# Altium PCB sinking-clock_LED-PCB.PcbDoc (part 1 of 2)
Units mm, origin at the board's own origin, x right, y up, seen from the top; angles counter-clockwise.
Board outline 152.03 x 83 mm, 2 copper layers (Top Layer, Bottom Layer), stack 1.57 mm thick; 151 components, 151 nets, 498 pads, 173 vias.
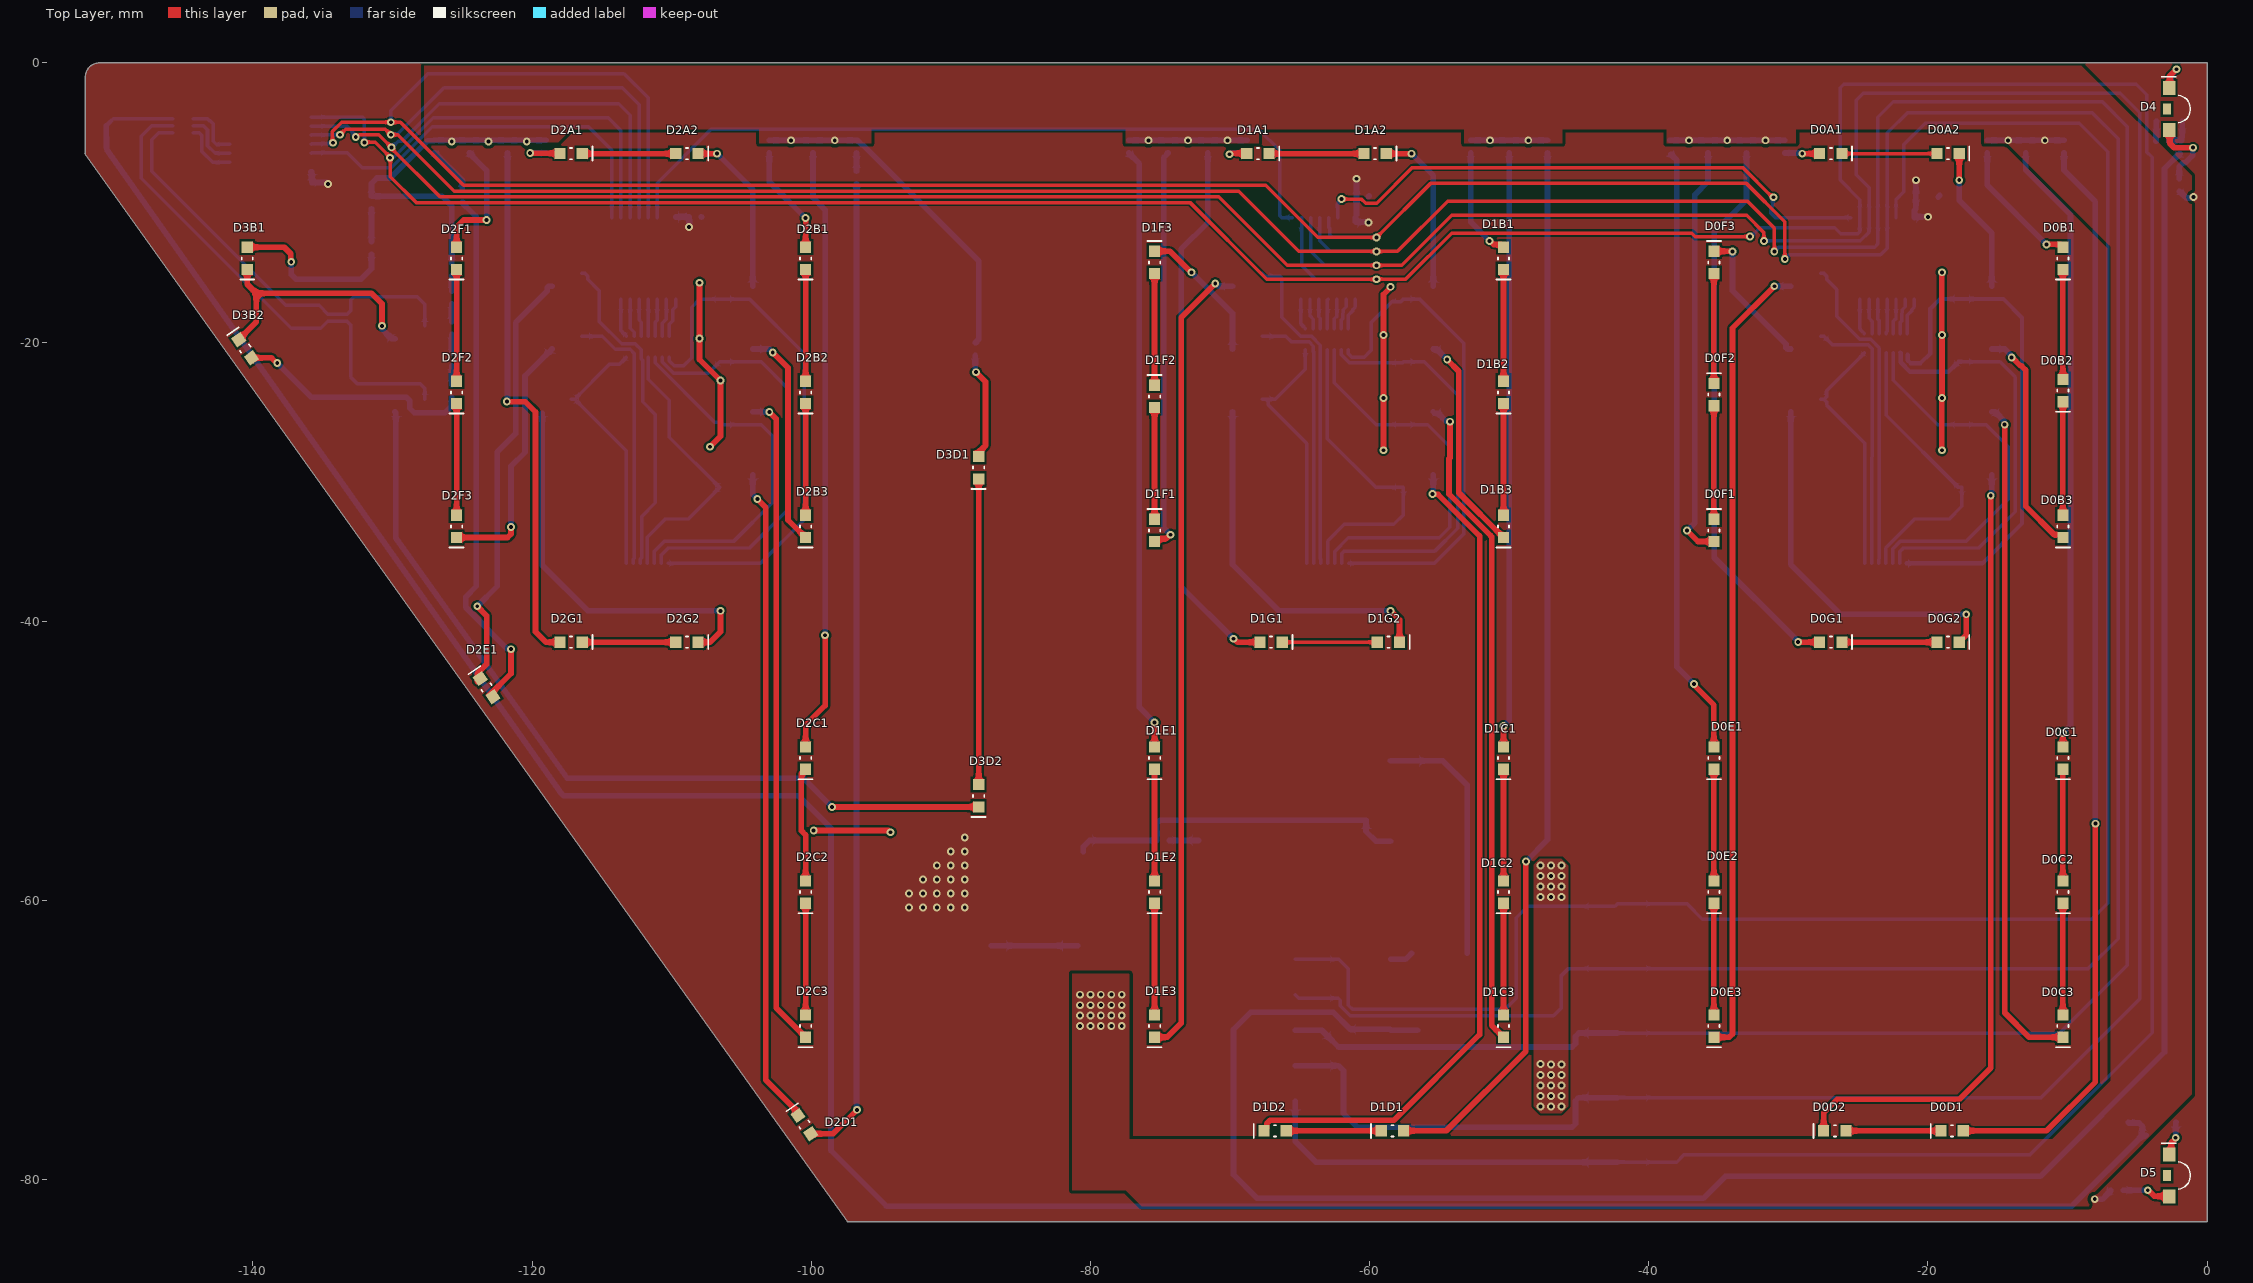
[diagram p0: Top Layer view]
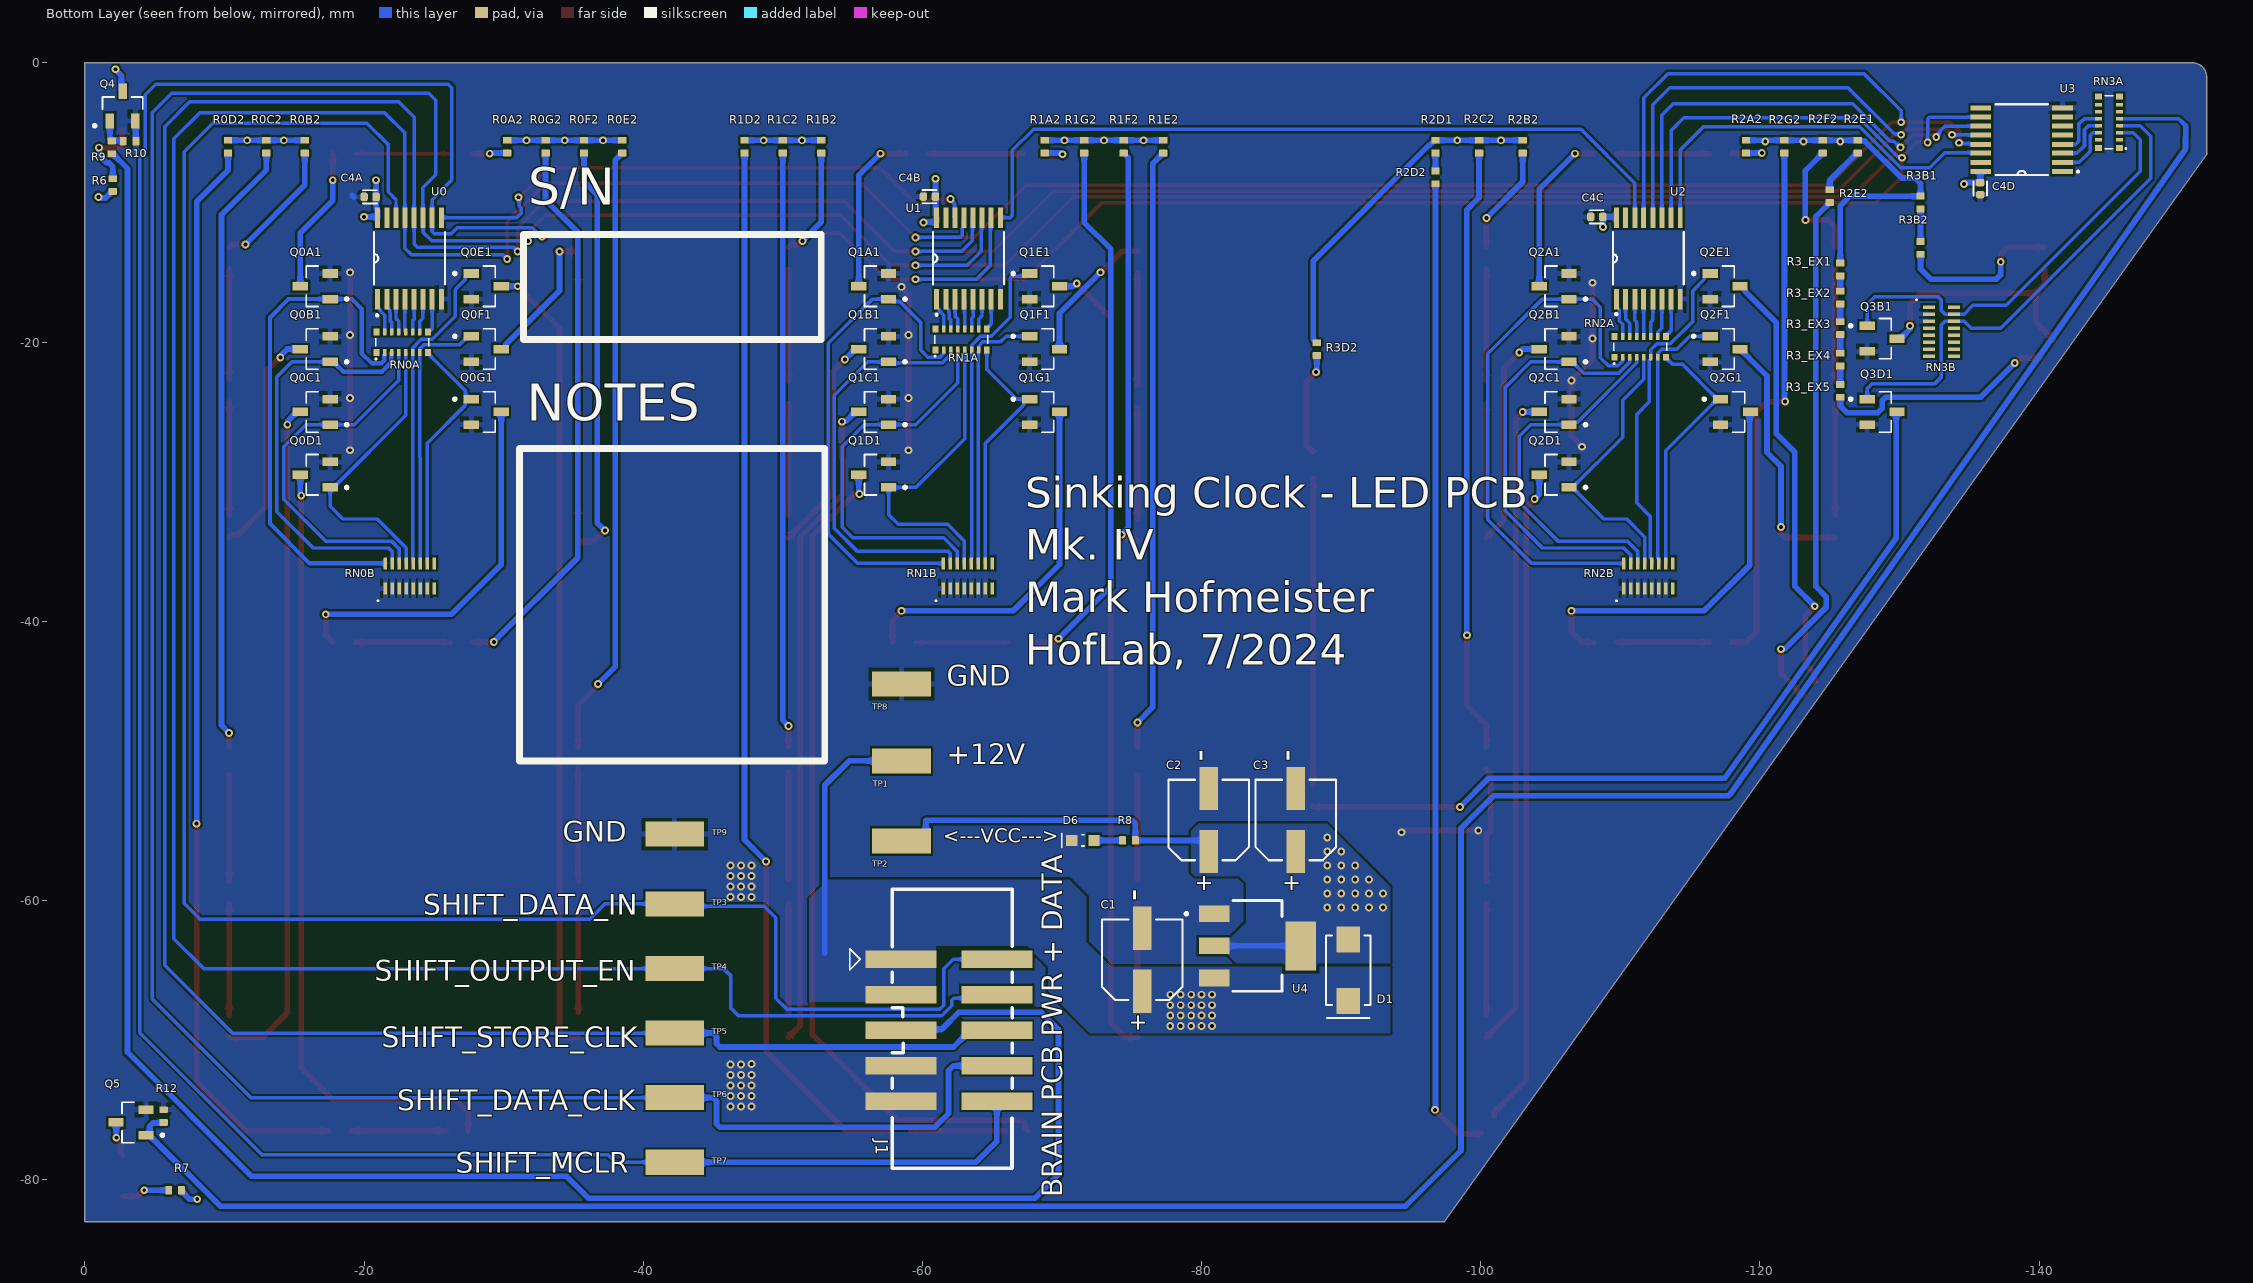
[diagram p1: Bottom Layer view, seen from below]
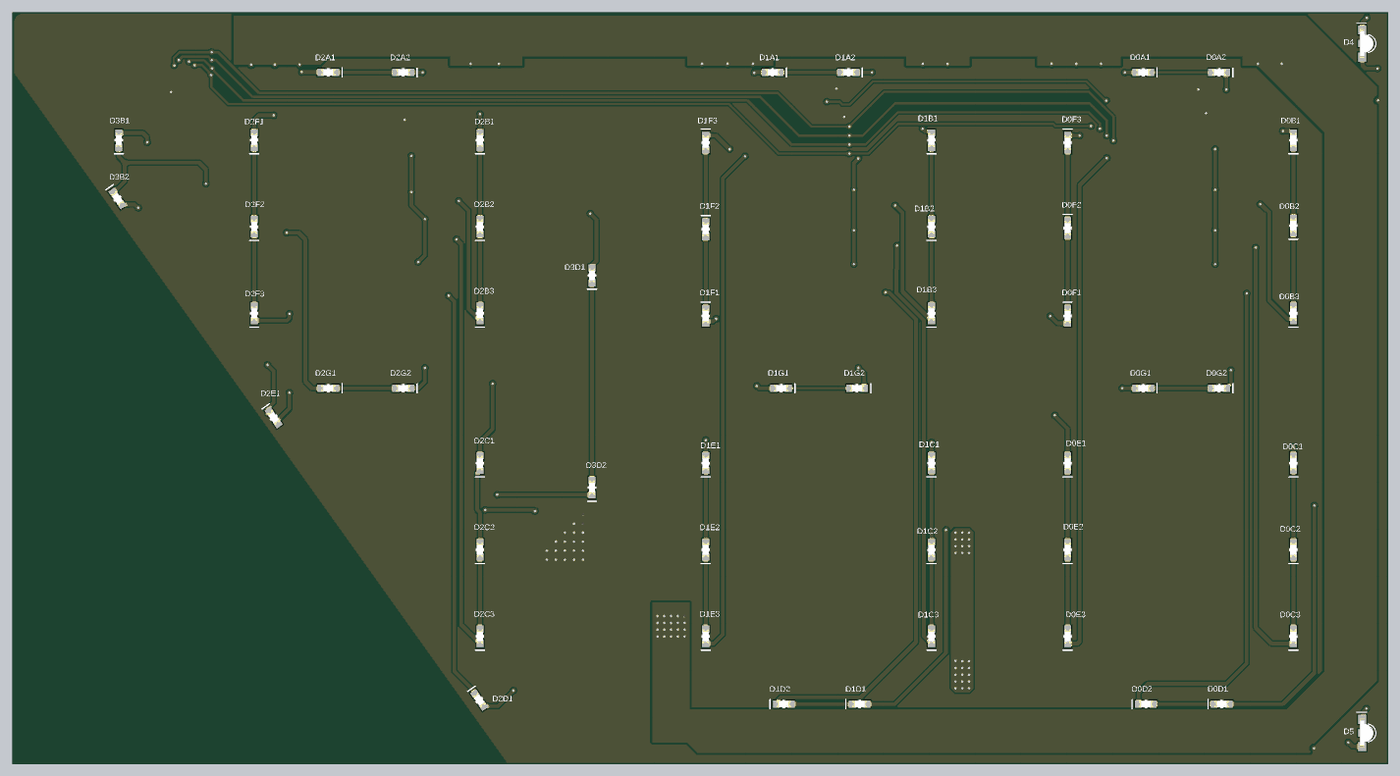
[diagram p3: 3D render of the assembled board from above, using the file's embedded part models]
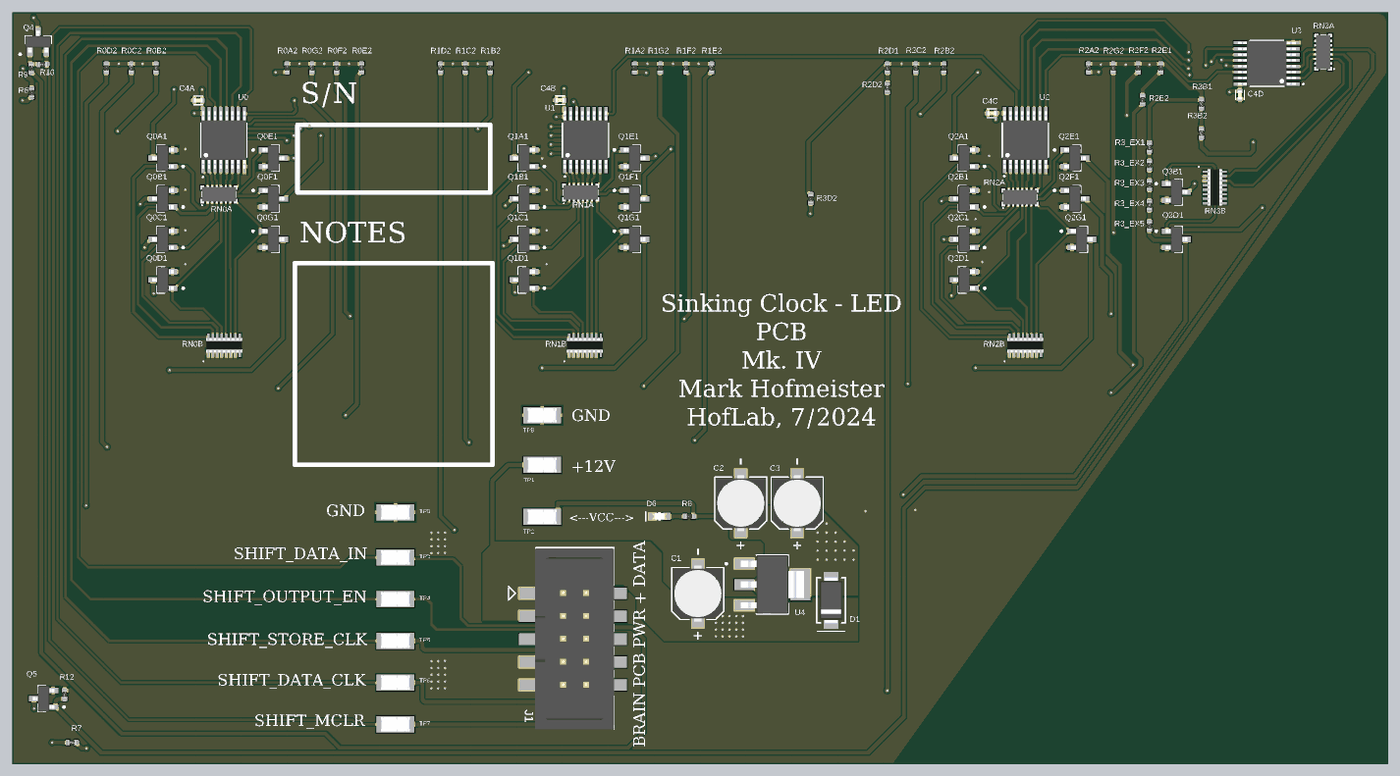
[diagram p4: 3D render of the assembled board from below, using the file's embedded part models]

## Layer stack, top to bottom
Top Solder: solder mask 0.0102, Solder Resist, Dk 3.5
Top Layer: signal copper 0.0356
Dielectric 1: dielectric 1.4986, FR-4, Dk 4.8
Bottom Layer: signal copper 0.0356
Bottom Solder: solder mask 0.0102, Solder Resist, Dk 3.5

## Board outline
-97.4,-83 -152.028,-6.52 -152,-6.5 -152,-1 cw(c-151,-1) -151,0 0,0 0,-83

## Design rules (kind name [scope] priority, off if disabled: settings)
Clearance "Power Planes" [InNet('+12') vs InNet('VCC')] p1: gap=0.254 ignorepadtopadclearanceinfootprint=TRUE except(0: Arc-Hole Track-Hole SMDPad-Hole THPad-Hole Via-Hole Fill-Hole Poly-Hole Region-Hole Text-Hole)
Clearance [All] p2: gap=0.152 ignorepadtopadclearanceinfootprint=FALSE except(0: Arc-Hole Track-Hole SMDPad-Hole THPad-Hole Via-Hole Fill-Hole Poly-Hole Region-Hole Text-Hole)
HoleSize [All] p1: absolutevalues=TRUE maxlimit=2.7 minlimit=0.152 maxpercent=80.000 minpercent=20.000
MinimumSolderMaskSliver [All] p1: minsoldermaskwidth=0.025
PolygonConnect "Power Section Direct Connect" [InComponentClass('DirectConnect')] p1: connectstyle=Direct reliefconductorwidth=0.254 reliefentries=4 polygonreliefangle="90 Angle" airgapwidth=0.254
PolygonConnect "PWR + GND Vias" [IsVia and InNetClass('PWR') vs IsPolygon] p2: connectstyle=Direct reliefconductorwidth=0.254 reliefentries=4 polygonreliefangle="90 Angle" airgapwidth=0.254
PolygonConnect [All] p3: connectstyle=Relief reliefconductorwidth=0.4 reliefentries=4 polygonreliefangle="90 Angle" airgapwidth=0.254
RoomDefinition U_LED-PCB_DIG2 [InComponentClass('U_LED-PCB_DIG2')] p1: confinementstyle=ConfineIn formatcopy=TRUE lockcomponents=FALSE outline -127.829,-7.229 -127.829,-4.771 -95.921,-4.771 -95.921,-9.434 -98.734,-9.434 -98.734,-78.009 -102.304,-78.009 -102.304,-46.699 -125.067,-46.699 -125.067,-35.041 -126.329,-35.041 -126.329,-7.229
RoomDefinition LED-PCB_Master [InComponentClass('LED-PCB_Master')] p2: confinementstyle=ConfineIn formatcopy=TRUE lockcomponents=FALSE outline -92.418,-68.759 -92.418,-61.596 -89.963,-61.596 -89.963,-49.052 -83.713,-49.052 -61.129,-49.052 -61.129,-43.171 -4.679,-43.171 -4.679,-0.956 -3.604,-0.956 -3.604,-0.696 -0.896,-0.696 -0.896,-0.956 -0.246,-0.956 -0.246,-5.244 -0.896,-5.244 -0.896,-82.056 -3.604,-82.056 -3.604,-81.589 -7.684,-81.589 -7.684,-80.079 -44.879,-80.079 -44.879,-79.581 -68.225,-79.581 -68.225,-69.711 -78.963,-69.711 -78.963,-68.759
RoomDefinition U_LED-PCB_DIG1 [InComponentClass('U_LED-PCB_DIG1')] p3: confinementstyle=ConfineIn formatcopy=TRUE lockcomponents=FALSE outline -78.079,-7.229 -78.079,-4.771 -46.421,-4.771 -46.421,-7.229 -49.471,-7.229 -49.471,-70.842 -56.635,-70.842 -56.635,-77.429 -68.606,-77.429 -68.606,-70.842 -76.329,-70.842 -76.329,-35.215 -76.329,-7.229
RoomDefinition U_LED-PCB_DIG3 [InComponentClass('U_LED-PCB_DIG3')] p4: confinementstyle=ConfineIn formatcopy=TRUE lockcomponents=FALSE outline -146.554,-6.623 -146.554,-1.877 -143.676,-1.877 -143.676,-2.63 -134.737,-2.63 -134.737,-8.771 -130.671,-8.771 -130.671,-13.569 -124.921,-13.569 -124.921,-19.271 -87.424,-19.271 -87.424,-27.271 -87.071,-27.271 -87.071,-54.341 -88.929,-54.341 -88.929,-26.979 -130.894,-26.979 -130.894,-22.424 -142.367,-22.424 -142.367,-8.37 -142.763,-8.37 -142.763,-6.623
RoomDefinition U_LED-PCB_DIG0 [InComponentClass('U_LED-PCB_DIG0')] p5: confinementstyle=ConfineIn formatcopy=TRUE lockcomponents=FALSE outline -39.329,-7.229 -39.329,-4.771 -9.421,-4.771 -9.421,-12.271 -9.401,-12.271 -9.401,-70.842 -16.54,-70.842 -16.54,-77.429 -28.511,-77.429 -28.511,-70.842 -36.259,-70.842 -36.259,-35.215 -36.259,-7.229
RoutingVias [All] p1: holewidth=0.279 width=0.559 viastyle="Through Hole" minholewidth=0.203 minwidth=0.406 maxholewidth=0.711 maxwidth=1.27
SilkToSolderMaskClearance [IsPad] p1: minsilkscreentomaskgap=0.1 clearancetoexposedcopper=TRUE
SolderMaskExpansion [isVia] p1: expansion=0.102 istentingtop=TRUE
SolderMaskExpansion SolderMaskExpansion_1 [All] p2: expansion=0.102 istentingtop=FALSE
UnRoutedNet [All] p1: checkbadconnections=TRUE
Width [All] p1: maxlimit=1.27 minlimit=0.152 preferedwidth=0.406 minimp=50.000000 maximp=50.000000 favimp=50.000000
26 further rules are at their usual default settings.

## Classes and differential pairs
component class DirectConnect: C1 C2 C3 D1 D6 J1 U4
net class PWR: +12 GND VCC
component class U_LED-PCB_DIG3: C4D D3B1 D3B2 D3D1 D3D2 Q3B1 Q3D1 R3_EX1 R3_EX2 R3_EX3 R3_EX4 R3_EX5 R3B1 R3B2 R3D2 RN3A RN3B U3
component class U_LED-PCB_DIG2: C4C D2A1 D2A2 D2B1 D2B2 D2B3 D2C1 D2C2 D2C3 D2D1 D2E1 D2F1 D2F2 D2F3 D2G1 D2G2 Q2A1 Q2B1 Q2C1 Q2D1 Q2E1 Q2F1 Q2G1 R2A2 R2B2 R2C2 R2D1 R2D2 R2E1 R2E2 R2F2 R2G2 RN2A RN2B U2
component class U_LED-PCB_DIG1: C4B D1A1 D1A2 D1B1 D1B2 D1B3 D1C1 D1C2 D1C3 D1D1 D1D2 D1E1 D1E2 D1E3 D1F1 D1F2 D1F3 D1G1 D1G2 Q1A1 Q1B1 Q1C1 Q1D1 Q1E1 Q1F1 Q1G1 R1A2 R1B2 R1C2 R1D2 R1E2 R1F2 R1G2 RN1A RN1B U1
component class U_LED-PCB_DIG0: C4A D0A1 D0A2 D0B1 D0B2 D0B3 D0C1 D0C2 D0C3 D0D1 D0D2 D0E1 D0E2 D0E3 D0F1 D0F2 D0F3 D0G1 D0G2 Q0A1 Q0B1 Q0C1 Q0D1 Q0E1 Q0F1 Q0G1 R0A2 R0B2 R0C2 R0D2 R0E2 R0F2 R0G2 RN0A RN0B U0
component class LED-PCB_Master: C1 C2 C3 D1 D4 D5 D6 J1 Q4 Q5 R6 R7 R8 R9 R10 R12 TP1 TP2 TP3 TP4 TP5 TP6 TP7 TP8 TP9 U4

## Components (designator, comment, footprint, x,y, rotation, side; value= is the part's Value field where it differs from the comment)
C1 "CAP" CAP_CAN_POLY -75.75,-64.25 r90 bottom value=10uF
C2 "CAP" CAP_CAN_POLY -80.5,-54.239 r90 bottom value=10uF
C3 "CAP" CAP_CAN_POLY -86.75,-54.239 r90 bottom value=10uF
C4A "CAP" "0402 CAP" -20.43,-9.6 r180 bottom value=1uF
C4B "CAP" "0402 CAP" -60.5,-9.575 r180 bottom value=1uF
C4C "CAP" "0402 CAP" -108.302,-11.026 r180 bottom value=1uF
C4D "CAP" "0402 CAP" -135.776,-9 r270 bottom value=1uF
D0A1 "LED - single" "LED - 0603" -26.955,-6.5 r0 top locked
D0A2 "LED - single" "LED - 0603" -18.555,-6.5 r0 top locked
D0B1 "LED - single" "LED - 0603" -10.33,-14 r270 top locked
D0B2 "LED - single" "LED - 0603" -10.33,-23.47 r270 top locked
D0B3 "LED - single" "LED - 0603" -10.33,-33.2 r270 top locked
D0C1 "LED - single" "LED - 0603" -10.33,-49.8 r270 top locked
D0C2 "LED - single" "LED - 0603" -10.33,-59.4 r270 top locked
D0C3 "LED - single" "LED - 0603" -10.33,-69 r270 top locked
D0D1 "LED - single" "LED - 0603" -18.269,-76.5 r180 top locked
D0D2 "LED - single" "LED - 0603" -26.669,-76.5 r180 top locked
D0E1 "LED - single" "LED - 0603" -35.33,-49.8 r270 top locked
D0E2 "LED - single" "LED - 0603" -35.33,-59.4 r270 top locked
D0E3 "LED - single" "LED - 0603" -35.33,-69 r270 top locked
D0F1 "LED - single" "LED - 0603" -35.33,-33.486 r90 top locked
D0F2 "LED - single" "LED - 0603" -35.33,-23.756 r90 top locked
D0F3 "LED - single" "LED - 0603" -35.33,-14.286 r90 top locked
D0G1 "LED - single" "LED - 0603" -26.955,-41.5 r0 top locked
D0G2 "LED - single" "LED - 0603" -18.555,-41.5 r0 top locked
D1 "DIODE" DO-214AC -90.5,-65 r90 bottom
D1A1 "LED - single" "LED - 0603" -68,-6.5 r0 top locked
D1A2 "LED - single" "LED - 0603" -59.6,-6.5 r0 top locked
D1B1 "LED - single" "LED - 0603" -50.4,-14 r270 top locked
D1B2 "LED - single" "LED - 0603" -50.4,-23.6 r270 top locked
D1B3 "LED - single" "LED - 0603" -50.4,-33.2 r270 top locked
D1C1 "LED - single" "LED - 0603" -50.4,-49.8 r270 top locked
D1C2 "LED - single" "LED - 0603" -50.4,-59.4 r270 top locked
D1C3 "LED - single" "LED - 0603" -50.4,-69 r270 top locked
D1D1 "LED - single" "LED - 0603" -58.364,-76.5 r180 top
D1D2 "LED - single" "LED - 0603" -66.764,-76.5 r180 top
D1E1 "LED - single" "LED - 0603" -75.4,-49.8 r270 top locked
D1E2 "LED - single" "LED - 0603" -75.4,-59.4 r270 top locked
D1E3 "LED - single" "LED - 0603" -75.4,-69 r270 top locked
D1F1 "LED - single" "LED - 0603" -75.4,-33.486 r90 top locked
D1F2 "LED - single" "LED - 0603" -75.4,-23.886 r90 top locked
D1F3 "LED - single" "LED - 0603" -75.4,-14.286 r90 top locked
D1G1 "LED - single" "LED - 0603" -67.05,-41.5 r0 top
D1G2 "LED - single" "LED - 0603" -58.65,-41.5 r0 top
D2A1 "LED - single" "LED - 0603" -117.2,-6.5 r0 top
D2A2 "LED - single" "LED - 0603" -108.9,-6.5 r0 top
D2B1 "LED - single" "LED - 0603" -100.4,-14 r270 top locked
D2B2 "LED - single" "LED - 0603" -100.4,-23.6 r270 top locked
D2B3 "LED - single" "LED - 0603" -100.4,-33.2 r270 top locked
D2C1 "LED - single" "LED - 0603" -100.4,-49.8 r270 top locked
D2C2 "LED - single" "LED - 0603" -100.4,-59.4 r270 top locked
D2C3 "LED - single" "LED - 0603" -100.4,-69 r270 top locked